# Altium PCB Fast_Servo.PCBDOC (part 6 of 7) (continued)
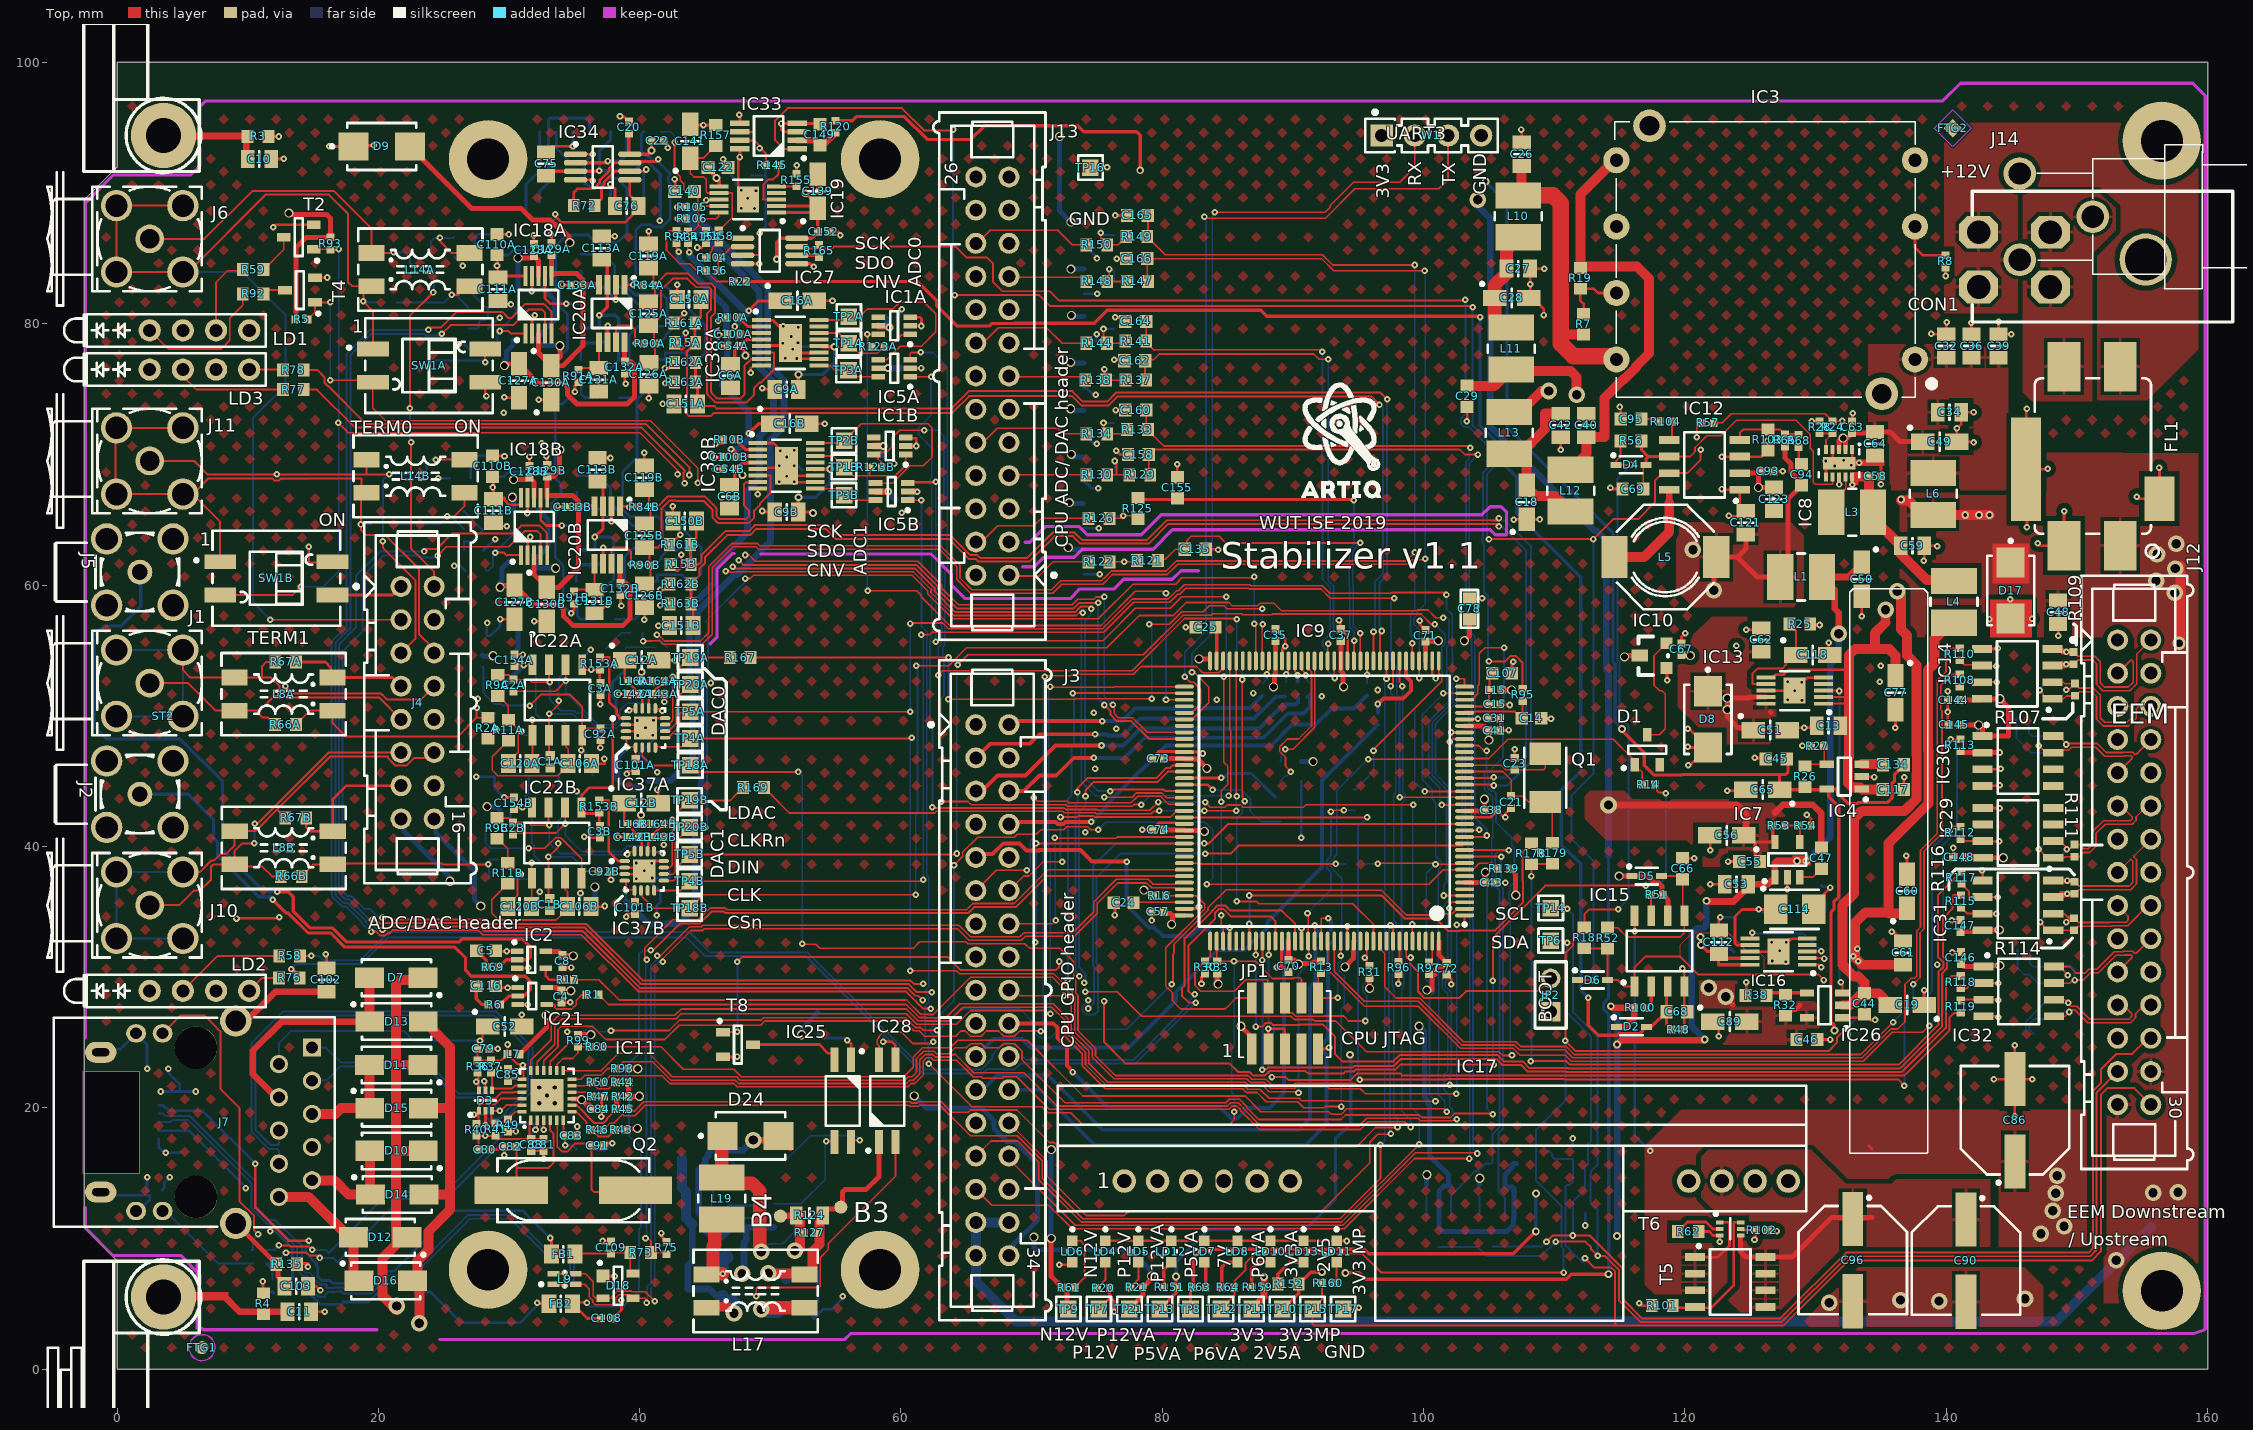
[diagram p0: Top view]
## Nets (pads, with @x,y where several pads share a name; then routed paths per layer and width w, separated by ;. In a path a pad name is that pad's centre, name@x,y a point inside that pad or via, vN(x,y) a via of type N, cw(c..) or ccw(c..) an arc to the next point about the centre after c; other vN are vias at no path point) (continued)
  L3 w0.152: v1(130.442,30.754) 132.801,30.754 v1(133.274,31.227) ; v1(130.442,31.966) 133.178,31.966 133.274,31.871 v1(133.274,31.227) ; v1(130.673,31.422) 133.011,31.422 133.205,31.227 v1(133.274,31.227)
  Bot w0.152: v1(110.719,7.391) 110.719,9.206 110.566,9.358 110.566,12.463 108.61,14.419 108.61,18.319 110.846,20.554 v1(110.846,25.126) ; v1(114.884,35.179) 115.697,35.992 115.697,49.2 114.986,49.911 114.986,54.115 114.821,54.279 114.821,68.149 v1(115.875,69.203) ; v1(125.139,33.381) 125.195,33.325 129.083,33.325 v1(130.442,31.966) ; v1(132.334,26.06) 133.274,27 v1(133.274,31.227)
  other v1: 132.893,31.609 133.205,32.18
P12V0: C48.2 C86.1 D17.1 FL1.2 IC15.8 J3.31 J3.32 J3.33 J12.28 J12.29 L6.1 R20.2 T5.1 T5.2 T5.3 T6.1 TP7.1 | length 143.1
  Top w0.203: TP7.1@75.142,4.597 75.964,5.419 75.964,5.519 ; R20.2@75.964,6.2 75.964,5.519 ; v1(76.327,4.394) 76.327,5.156 75.964,5.519 ; IC15.8@116.149,34.689 116.149,33.508 v1(116.154,33.513) ; T5.1@120.768,8.57 122.542,8.57 123.414,9.443 123.414,11.177 123.366,11.226 T6.1@122.678,11.226 ; 134.069,17.069 134.3,16.838
  Top w0.762: v3@136.55,66.468 137.133,66.468 138.225,65.376 v3(141.453,65.376) v3(142.494,65.376) v3(143.307,65.376) ; v8(157.8,55.55) 157.925,55.425 v5@157.925,61.45
  L3 w0.203: J3.32@68.27,11.22 J3.32@68.347,11.22
  Bot w0.203: v1(76.327,4.394) 76.378,4.343 76.378,3.632 ; v1(116.154,33.513) 116.154,17.887 v1(117.34,16.701)
  Bot w0.762: J3.32@68.27,11.22 J3.31@65.73,11.22 J3.33@65.73,8.68 65.73,6.711 68.809,3.632 76.378,3.632 148.445,3.632 155.685,10.873
  other v3: 136.55,66.544
  other v5: 153.018,8.333 147.244,10.351 149.017,10.922 148.158,12.123 148.387,13.462 155.829,13.487 157.734,13.538 148.488,14.808 157.48,59.411 156.059,60.325 157.531,61.265 156.125,62.357 157.607,63.17
P12V0_CHA: C98A.1 C154A.2 D21A.2 IC22A.8 L2A.2 | length 7.4
  Top w0.127: C154A.2@30.502,53.91 IC22A.8@31.797,53.91
  Bot w0.381: D21A.2@29.931,52.459 29.931,52.692 v1(31.115,53.876) 30.871,54.12 30.81,54.12 30.477,54.452 30.477,54.923 30.707,55.152 L2A.2@30.707,57.724
P12V0_CHB: C98B.1 C154B.2 D21B.2 IC22B.8 L2B.2 | length 6.2
  Top w0.127: C154B.2@30.457,42.972 IC22B.8@31.752,42.972
  Bot w0.152: D21B.2@30.107,41.309 30.107,42.682 L2B.2@30.207,42.782 30.814,42.782 v1(31.035,43.002) 31.249,43.216 31.249,43.831 31.496,44.079 C98B.1@31.496,45.322
P12V0A: C51.1 C62.2 C127A.1 C127B.1 C128A.2 C128B.2 C132A.2 C132B.2 D8.1 D19A.2 D19B.2 D20A.2 D20B.2 IC13.9 IC13.10 IC18A.8 IC18B.8 IC20A.8 IC20B.8 J4.15 J13.25 L2A.1 L2B.1 R21.2 R70.2 R71.2 TP21.1 | length 318.5
  Top w0.381: v2(29.317,59.84) 29.456,59.978 C127B.1@30.427,59.978 31.881,58.524 33.802,58.524 34.189,58.137 34.189,57.614 34.908,56.896 38.709,56.896 39.272,57.459 39.272,59.85 38.969,60.153 C132B.2@38.533,60.153 38.495,60.191 IC20B.8@38.495,61.636 ; v2(29.651,76.804) 29.79,76.943 C127A.1@30.761,76.943 32.215,75.489 34.136,75.489 34.483,75.143 34.483,74.579 35.201,73.861 39.044,73.861 39.606,74.424 39.606,76.815 39.303,77.118 C132A.2@38.867,77.118 38.83,77.156 IC20A.8@38.83,78.601 ; v2(30.354,68.072) 31.415,68.072 C128B.2@31.567,68.224 31.927,67.864 IC18B.8@31.927,66.695 ; v2(30.689,85.037) 31.749,85.037 C128A.2@31.901,85.189 32.261,84.829 IC18A.8@32.261,83.659 ; TP21.1@77.48,4.597 77.48,4.602 78.508,5.631 R21.2@78.508,6.25 79.172,6.913 v2(79.172,7.112) ; C51.1@125.642,49.096 124.061,49.096 123.241,49.916 v2(123.241,50.47) v2(123.241,51.359) 124.879,51.359 124.943,51.423 IC13.9@126.191,51.423 ; 126.542,50.292 126.597,50.237
  L3 w0.381: v2(25.476,37.338) 20.345,32.207 20.345,17.594 25.314,12.626 44.02,12.626 44.495,12.151 49.057,12.151 49.428,12.522 59.868,12.522 62.287,10.103 v2@70.028,10.103 ; v2@25.552,37.338 25.552,37.802 28.296,40.545 28.296,47.892 26.746,49.441 26.746,57.269 v2(29.317,59.84) 30.384,60.907 30.384,68.042 v2(30.354,68.072) 30.354,76.101 v2(29.651,76.804) ; v2(30.689,85.037) 30.689,85.123 30.861,85.295 30.861,86.954 31.614,87.706 34.059,87.706 34.668,88.316 40.44,88.316 41.735,89.611 43.023,89.611 44.378,88.256 52.576,88.256 52.965,88.646 61.163,88.646 65.126,92.608 66.901,92.608 J13.25@68.27,91.24 ; v2(70.171,10.103) v2@70.028,10.103 ; 100.377,16.101 94.935,16.101 94.323,16.713 92.143,16.713 91.892,16.463 91.422,16.463 91.172,16.713 72.829,16.713 70.028,13.912 v2@70.028,10.103 ; 110.084,17.932 118.747,26.596 123.706,26.596 125.779,28.668 125.779,30.399 ; v2(123.241,51.359) 122.453,50.571 122.453,40.259 123.299,39.413 123.533,39.413 123.866,39.081 123.866,38.611 123.469,38.214 123.469,32.709
  Bot w0.381: J4.15@21.73,42.11 21.958,41.882 21.958,41.161 25.415,37.704 25.415,37.359 25.476,37.298 v2(25.476,37.338) ; v2(28.321,43.053) 28.346,43.028 29.041,43.028 L2B.1@29.287,42.782 ; v2(29.651,76.804) 29.651,77.157 29.794,77.3 29.794,77.864 30.293,78.363 D20A.2@30.293,78.759 ; D20B.2@29.959,61.794 29.459,61.295 29.459,60.335 29.317,60.192 v2(29.317,59.84) 30.291,59.84 30.707,59.423 L2A.1@30.707,58.644 ; v2(30.257,66.724) 30.354,66.627 D19B.2@30.354,65.759 ; D19A.2@30.689,82.724 v2(30.689,85.037) ; v2(70.171,10.103) 70.171,9.2 70.237,9.134 77.531,9.134 79.172,7.493 v2(79.172,7.112) ; R71.2@100.205,14.094 100.227,14.116 100.227,14.852 v2(100.25,14.875) ; R70.2@104.281,14.138 104.286,14.144 104.286,14.599 v2(104.292,14.605)
P12V0F: CON1.3 CON1.4 FL1.1 J14.3
P12V0FIL: C32.2 C34.2 C36.2 C39.2 C49.1 C63.2 C64.2 C93.2 C123.2 IC3.1 IC8.2 IC8.3 IC12.2 L6.2 | length 20.6
  Top w0.381: IC12.2@124.199,68.568 C93.2@125.761,68.568 ; v2(125.618,67.473) 125.618,68.425 C93.2@125.761,68.568 ; v2@125.896,67.473 C123.2@126.817,67.473 ; C93.2@125.896,68.703 C93.2@125.761,68.568 ; IC8.3@131.8,70.378 131.8,71.059 132.105,71.364 v2(132.105,71.257) v2@132.3,71.063 ; IC8.2@132.3,70.378 v2@132.3,71.063 ; C49.1@138.2,70.976 136.454,70.976 135.702,71.728 C64.2@134.55,71.728 134.45,71.628 C63.2@132.8,71.628 132.3,71.128 v2@132.3,71.063
  L3 w0.381: v2(125.618,67.473) 125.71,67.564 128.046,67.564 130.55,70.068 131.24,70.068 v2@132.242,71.07
P12V0POE: C90.1 C96.1 IC17.8 T5.5 T5.6 T5.7 T5.8 T6.4 | length 12.7
  Top w0.381: T6.4@124.258,10.226 124.258,8.99 124.678,8.57 T5.8@126.168,8.57 128.196,8.57 131.239,11.613 134.3,11.613
P13V0: C13.2 C29.2 C77.1 C117.2 IC4.1 IC13.1 IC13.2 IC13.6 L11.2 | length 76.7
  Top w0.152: IC13.1@130.591,50.923 132.243,50.923 132.558,51.238 132.373,51.423 IC13.2@130.591,51.423
  Top w0.203: IC13.6@126.191,52.923 126.766,52.923 126.814,52.972 126.814,53.023 126.933,53.142 127.556,53.142 127.931,53.517 132.508,53.517 132.558,53.567
  Top w0.762: C29.2@103.327,75.247 105.442,75.247 L11.2@106.699,76.505 ; L11.2@107,76.376 110.132,76.376 111.254,76.376 111.709,75.921 v5(111.709,74.574) ; C117.2@135.142,44.346 133.592,44.346 IC4.1@133.542,44.396 133.436,44.502 132.842,44.502 132.484,44.86 132.484,46.781 132.558,46.855 132.558,49.296 132.558,50.923 132.558,51.238 132.558,53.567 132.558,54.654 133.004,55.1 134.531,55.1 ; 135.357,57.144 134.531,56.318 134.531,55.1 ; v5@135.357,57.545 v5@135.357,57.83 ; 135.637,55.1 134.531,55.1 ; 135.642,55.096 136.119,54.619 C77.1@136.119,53.065
  L3 w0.762: v5(111.709,74.574) 113.055,74.574 114.253,73.377 114.253,73.321 114.697,72.877 115.325,72.877 115.372,72.923 123.292,72.923 124.13,72.086 124.13,68.455 123.871,68.196 123.871,66.749 124.13,66.49 124.13,65.017 128.847,60.3 133.172,60.3 v5(135.357,58.115)
P13V0FIL: C27.2 C28.1 L10.2 L11.1 | length 8.8
  Top w1.016: L11.1@107,79.576 106.375,79.576 105.45,80.501 C28.1@105.45,81.976 105.45,82.976 106.35,83.876 C27.2@106.35,84.226 106.35,85.726 L10.2@107.25,86.626
P13V0S: C26.2 IC3.7 L10.1 R7.2 | length 23
  Top w0.762: C26.2@107.5,92.076 107.5,90.076 L10.1@107.25,89.826 L10.1@107.606,89.826 ; 110.5,79.205 110.529,79.176 R7.2@112.25,79.176
  Top w1.27: L10.1@107.606,89.826 109.9,89.826 110.5,89.226 110.5,79.205 110.5,78.476 111.457,77.519 114.517,77.519 IC3.7@114.68,77.356
PC2_ADC3_IN1_N: IC9.28 J3.29 | length 75.1
  Top w0.127: J3.29@65.73,13.76 66.942,12.548 71.297,12.548 73.101,10.744 93.931,10.744 99.301,16.114 v1(103.5,16.114) ; v1(102,48) 102.227,48.227 IC9.28@103.134,48.227
  Bot w0.127: v1@101.94,48.069 v1@102,48.01 ; v1(102,48) v1@102,48.01 ; v1(103.5,16.114) 103.527,16.141 103.527,39.834 102.945,40.416 102.945,47.065 v1@102,48.01
PC3_ADC3_IN1_P: IC9.29 J3.28 | length 74.6
  Top w0.127: J3.28@68.27,16.3 68.27,16.071 73.342,10.998 93.826,10.998 99.382,16.554 104.055,16.554 v1(104.109,16.5) ; v1(102.106,48.727) IC9.29@103.134,48.727
  Bot w0.127: v1(102.106,48.727) 102.106,48.516 103.199,47.424 103.199,40.646 103.782,40.063 103.782,16.827 v1(104.109,16.5)
PHY_RD_N: D3.1 IC11.22 J7.3 R40.2 | length 48.7
  Top w0.152: v1(27.315,19.482) D3.1@27.681,19.482 ; R40.2@27.508,18.783 27.68,18.783 27.681,18.785 D3.1@27.681,19.482 ; IC11.22@31.005,20.695 29.372,20.695 28.946,20.269 27.838,20.269 27.695,20.126 D3.1@27.695,19.765 27.681,19.751 D3.1@27.681,19.482
  Bot w0.152: J7.3@12.39,15.72 12.39,16.749 12.301,16.838 11.658,16.838 10.287,18.209 10.287,24.937 12.731,27.381 29.001,27.381 31.803,24.579 31.803,22.927 31.75,22.874 31.75,21.235 30.07,19.554 30.07,19.441 29.501,18.872 28.64,18.872 28.372,19.14 28.372,19.228 28.118,19.482 v1(27.315,19.482)
PHY_RD_P: D3.3 IC11.23 J7.5 R41.2 | length 45.2
  Top w0.152: 28.655,18.785 28.655,19.725 D3.3@28.695,19.765 v1(29.286,19.765) 29.364,19.765 29.794,20.195 IC11.23@31.005,20.195
  Bot w0.152: J7.5@12.501,18.15 J7.5@12.39,18.26 12.39,17.232 12.301,17.143 11.784,17.143 10.592,18.335 10.592,24.811 12.857,27.076 28.875,27.076 31.498,24.453 31.498,23.053 31.445,23.001 31.445,21.361 29.765,19.681 29.765,19.567 29.375,19.177 28.766,19.177 28.677,19.266 28.677,19.393 28.473,19.596 28.473,20.093 28.958,20.093 v1(29.286,19.765)
PHY_TD_N: D3.4 IC11.20 J7.8 R37.1 | length 22
  Top w0.152: R37.1@28.686,22.606 R37.1@28.616,22.676 29.165,22.676 29.165,22.993 v1(29.21,23.038) ; R37.1@28.732,22.56 28.695,22.523 D3.4@28.695,21.345 28.813,21.463 30.225,21.463 30.458,21.695 IC11.20@31.005,21.695
  Bot w0.152: J7.8@14.93,22.07 16,22.07 17.094,23.165 23.619,23.165 25.981,20.803 28.125,20.803 28.651,21.329 28.651,21.361 28.753,21.463 28.753,22.581 v1(29.21,23.038)
PHY_TD_P: D3.6 IC11.21 J7.10 R36.1 | length 21.9
  Top w0.152: v1(27.483,21.996) 27.567,21.996 27.641,22.07 v1@27.665,22.047 ; R36.1@27.595,22.676 27.665,22.607 v1@27.665,22.047 ; IC11.21@31.005,21.195 30.389,21.195 30.352,21.158 29.415,21.158 28.984,20.726 27.813,20.726 27.665,20.875 v1@27.665,22.047
  Bot w0.152: J7.10@14.93,24.61 15.979,24.61 17.12,23.47 23.745,23.47 26.107,21.107 27.999,21.107 28.27,21.379 28.27,21.416 28.118,21.569 27.809,21.569 v1@27.381,21.996 ; v1@27.307,22.07 v1@27.381,21.996 ; v1(27.483,21.996) v1@27.381,21.996
POE_IN1: D7.2 D13.1 J7.7 | length 17.8
  Top w0.508: J7.7@12.39,20.8 12.167,20.8 10.386,22.581 10.386,24.363 12.619,26.596 D13.1@19.346,26.596
  Top w0.762: D7.2@19.327,29.95 19.327,26.615 D13.1@19.346,26.596
POE_IN2: D10.2 D14.1 J7.2 | length 8.3
  Top w0.762: J7.2@14.93,14.45 16.62,14.45 17.711,13.36 D14.1@19.401,13.36 19.346,13.415 D10.2@19.346,16.701
POE_IN3: D11.2 D15.1 J7.6 | length 7.9
  Top w0.762: J7.6@14.93,19.53 16.707,19.53 17.141,19.965 D15.1@19.351,19.965 19.327,19.99 D11.2@19.327,23.265
POE_IN4: D12.2 D16.1 J7.1 | length 10.5
  Top w0.762: J7.1@12.39,13.18 14.675,13.18 17.772,10.084 D12.2@18.097,10.084 18.097,7.15 18.491,6.756 D16.1@18.517,6.756
POE_VC+: D7.1 D10.1 D11.1 D12.1 D24.1 L19.1 R140.2 | length 92.1
  Top w0.381: 21.664,29.771 21.844,29.95 D7.1@23.427,29.95
  Top w0.762: v5(21.412,4.826) 21.412,4.533 20.332,5.613 20.332,8.504 21.347,9.518 D12.1@21.347,10.084 ; D12.1@22.197,10.084 D12.1@21.347,10.084 ; D11.1@23.427,23.265 21.347,23.265 ; D7.1@23.427,29.95 23.247,29.771 21.664,29.771 21.347,29.453 21.347,23.265 ; D10.1@23.446,16.701 21.347,16.701 ; D12.1@21.347,10.084 21.347,16.701 ; 21.347,16.701 21.347,23.265
  Top w1.016: D24.1@46.338,17.845 46.279,17.786 L19.1@46.279,14.656 46.703,14.231 48.604,14.231 49.199,13.636 v5@49.199,9.481
  L3 w1.016: v5@21.844,4.773 22.084,5.013 23.42,5.013 25.496,2.937 42.619,2.937 44.495,4.812 44.495,7.737 45.735,8.977 v5(49.299,8.977)
  Bot w0.127: R140.2@45.631,14.503 45.631,13.165 45.471,13.005 45.471,11.902 45.621,11.752 45.621,11.472 45.695,11.398 47.58,11.398 47.749,11.567 49.835,11.567 50.079,11.811 50.952,11.811 51.873,10.891 51.873,10.524 50.95,9.601 49.923,9.601 v5(49.299,8.977)
POE_VC-: C136.1 D13.2 D14.2 D15.2 D16.2 D24.2 R146.1 R166.1 R184.1 T7.2 | length 79.9
  Top w0.381: 25.493,19.965 25.494,19.964
  Top w0.508: v5@48.675,17.526 50.319,17.526 D24.2@50.638,17.845 50.713,17.845 51.534,17.024 D24.2@51.534,16.949
  Top w0.762: v5(23.134,3.503) 23.134,6.705 23.012,6.827 23.336,7.15 23.012,7.15 23.012,8.306 23.836,9.129 23.836,10.541 25.494,12.199 25.494,19.964 25.494,24.661 23.836,26.32 D13.2@23.836,26.543 ; D15.2@23.451,19.965 25.493,19.965 ; D14.2@23.501,13.36 25.342,13.36
  L3 w1.016: v5(23.134,3.503) 23.134,2.926 23.825,2.235 24.005,2.235 24.487,1.753 43.052,1.753 45.638,4.339 45.638,4.925 47.442,6.73
  Bot w0.508: v5(47.84,7.305) 47.985,7.45 47.985,7.981 47.988,7.983 47.988,9.707 48.149,9.868 R184.1@48.149,10.747 ; v5(48.692,17.526) 47.912,16.746 45.471,16.746 45.25,16.525 R166.1@45.25,16.3 45.029,16.079 45.029,15.794 44.526,15.291 44.526,11.938 44.69,11.774 44.719,11.774 44.943,11.551 44.943,10.684 45.484,10.143 T7.2@46.337,10.143 46.941,10.747 R184.1@48.149,10.747 ; C136.1@50.254,10.852 48.253,10.852 R184.1@48.184,10.782 R184.1@48.149,10.747
QSPI_CLK: J3.8 R12.1 | length 31.5
  Top w0.298: J3.8@68.43,41.86 71.856,41.86 71.991,41.724 72.427,41.724 72.588,41.885 v1(74.574,41.885)
  Bot w0.298: v1(74.574,41.885) 75.783,43.093 75.783,43.249 75.788,43.254 76.229,43.695 76.24,43.695 80.272,47.727 88.338,47.727 89.931,49.32 91.734,49.32 92.976,50.562 94.672,50.562 95.515,51.406 95.515,51.426 95.656,51.567 R12.1@95.676,51.567
QSPI_IO0: J3.6 R186.2 | length 26.6
  Top w0.298: J3.6@68.27,44.24 69.398,44.24 70.599,45.441 71.882,45.441 73.221,46.78 v1(74.748,46.78)
  Bot w0.298: v1(74.748,46.78) 77.114,46.78 78.654,48.32 87.741,48.32 89.6,50.179 90.8,50.179 91.288,50.666 R186.2@91.288,51.6 ; R186.2@91.127,51.439 R186.2@91.127,51.459
QSPI_IO1: J3.5 R187.2 | length 28
  Top w0.298: J3.5@65.73,44.24 66.082,44.24 66.352,44.51 66.456,44.51 67.386,45.441 69.528,45.441 71.814,47.727 v1(75.346,47.727)
  Bot w0.298: v1(75.346,47.727) 77.031,47.727 78.327,49.023 87.453,49.023 89.281,50.851 90.202,50.851 90.376,51.025 R187.2@90.376,51.595
QSPI_IO2: J3.3 R188.2 | length 25.7
  Top w0.298: J3.3@65.73,46.78 66.806,47.856 69.846,47.856 70.58,48.59 v1(74.854,48.59)
  Bot w0.298: v1(74.854,48.59) 74.879,48.565 75.768,48.565 75.837,48.496 77.014,48.496 78.302,49.784 87.02,49.784 88.69,51.454 89.264,51.454 89.296,51.486 R188.2@89.408,51.486
QSPI_IO3: J3.2 R189.2 | length 20.3
  Top w0.298: J3.2@68.27,49.32 68.543,49.593 v1(75.417,49.593)
  Bot w0.298: v1(75.417,49.593) 76.949,49.593 77.918,50.562 83.071,50.562 83.103,50.595 86.713,50.595 87.52,51.401 87.52,51.408 87.648,51.537 R189.2@87.655,51.537
QSPI_NCS: J3.9 R185.1 | length 23.4
  Top w0.298: J3.9@65.73,39.16 65.979,39.409 66.535,39.409 66.556,39.43 67.018,39.43 67.824,40.236 69.069,40.236 69.604,39.701 70.551,39.701 70.577,39.727 73.739,39.727 74.625,38.841 v1(77.269,38.841)
  Bot w0.298: v1(77.269,38.841) 77.269,35.505 78.965,33.808 79.367,33.808 80.043,33.132 82.213,33.132 82.718,33.637 R185.1@83.601,33.637
REF_P1V7066: IC34.7 R72.2 R85A.1 R85B.1 RN2A.5 RN2A.8 RN2B.5 RN2B.8 RN4.7 | length 67.3
  Top w0.203: R72.2@34.965,89.04 34.965,90.064 35.225,90.324 36.526,90.324 36.754,90.552 36.754,90.613 36.957,90.816 36.957,91.005 37.431,91.478 37.455,91.478 37.662,91.685 37.662,91.896 38.092,92.326 IC34.7@39.246,92.326 39.347,92.427 41.305,92.427 41.417,92.538 v1(41.417,92.597)
  L3 w0.203: v1@41.356,92.597 v1(41.417,92.597)
  Bot w0.203: R85B.1@38.145,57.38 39.6,57.38 40.545,58.325 RN2B.8@40.545,59.029 39.216,59.029 38.842,59.404 38.842,62.156 39.525,62.839 RN2B.5@40.545,62.839 41.521,62.839 41.758,63.076 41.758,64.888 41.418,65.227 39.252,65.227 38.714,65.766 38.714,68.686 39.802,69.774 39.802,74.345 ; R85A.1@38.48,74.345 39.802,74.345 ; RN4.7@40.306,94.701 40.111,94.506 40.111,93.253 40.557,92.808 40.626,92.808 40.694,92.74 40.789,92.74 41.058,92.471 41.291,92.471 v1(41.417,92.597) 41.417,92.416 42.334,91.499 42.334,91.411 42.19,91.266 42.19,90.87 42.334,90.726 42.334,88.012 41.727,87.405 41.054,87.405 40.89,87.569 40.092,87.569 39.71,87.187 39.71,83.865 39.044,83.199 39.044,82.802 39.646,82.201 41.802,82.201 42.088,81.915 42.088,79.997 41.895,79.804 RN2A.5@40.88,79.804 39.859,79.804 39.213,79.158 39.213,76.332 39.551,75.994 RN2A.8@40.88,75.994 40.88,75.29 39.935,74.345 39.802,74.345
REF_P2V048: IC34.1 R91A.1 R91B.1 RN3.6 RN4.3 | length 55.2
  Top w0.203: v1(34.757,57.849) 34.971,58.063 R91B.1@34.971,58.57 ; v1(35.05,74.814) 35.05,75.279 R91A.1@35.305,75.534 ; IC34.1@35.096,92.976 36.384,92.976 v1(36.396,92.964)
  Bot w0.203: RN3.6@33.627,94.701 33.627,93.427 34.676,92.378 35.81,92.378 ; v1(34.757,57.849) 34.142,58.464 34.142,60.991 34.142,61.175 34.142,61.534 33.528,62.148 33.528,65.562 33.248,65.842 33.248,66.238 33.98,66.97 33.98,67.727 33.528,68.179 33.528,69.895 33.305,70.118 33.305,70.597 33.528,70.82 33.528,73.867 ; v1(35.05,74.814) 34.103,73.867 33.528,73.867 ; v1(36.396,92.964) 35.81,92.378 ; 33.528,73.867 33.528,77.135 34.476,78.083 34.476,78.139 34.476,80.743 33.892,81.327 33.892,82.497 33.583,82.806 33.583,85.975 34.405,86.798 36.062,86.798 36.643,86.217 38.3,86.217 39.036,86.953 RN4.3@39.036,89.301 39.036,90.366 38.254,91.148 37.568,91.148 36.873,90.453 36.198,90.453 35.982,90.67 35.81,90.67 35.81,92.378
REF_P4V096: C140.2 IC19.9 IC19.10 R22.1 R34.1 R94.1 R105.1 R106.1 R154.2 R156.1 RN4.8 | length 23.4
  Top w0.127: v1(42.668,93.878) 42.672,93.875 42.672,91.688 43.109,91.251 43.109,90.975 43.375,90.709 43.375,90.316 43.56,90.13 C140.2@44.184,90.13 C140.2@44.314,90.13 ; R94.1@42.809,87.114 42.257,87.114 42.051,86.908 42.051,85.638 43.089,84.6 43.833,84.6 44.373,84.06 R156.1@45.08,84.06 45.904,83.236 R22.1@47.231,83.236 ; 43.146,87.083 43.159,87.096 R34.1@43.688,87.096 44.105,87.096 44.545,87.536 ; C140.2@44.314,90.149 44.545,89.918 44.545,89.759 44.44,89.654 44.44,87.641 44.545,87.536 ; R106.1@44.555,88.045 45.866,88.045 46.064,88.243 46.064,88.492 IC19.10@46.087,88.515 ; R105.1@44.555,88.933 44.636,89.015 IC19.9@46.087,89.015 ; R154.2@45.08,87.096 44.985,87.096 44.545,87.536
  Bot w0.127: RN4.8@41.576,94.701 42.357,94.701 42.668,94.39 v1(42.668,93.878)
REF_P4V096_ADC1: C16A.1 C100A.2 IC38A.3 R34.2 | length 13.3
  Top w0.127: R34.2@43.688,86.156 43.688,85.563 v1(43.786,85.465)
  Top w0.2: C100A.2@47.627,79.202 47.69,79.266 47.718,79.294 IC38A.3@49.337,79.294
  Top w0.254: v1(47.288,79.794) 47.288,79.668 C100A.2@47.69,79.266 ; v1(48.346,81.001) 49.096,81.751 C16A.1@50.196,81.751
  Bot w0.508: v1(43.786,85.465) 43.786,85.268 48.255,80.799 47.288,79.832 v1(47.288,79.794)
REF_P4V096_ADC2: C16B.1 C100B.2 IC38B.3 R94.2 | length 24.1
  Top w0.152: R94.2@42.809,86.174 42.809,85.764 43,85.573 v1(43,85.5)
  Top w0.254: v1@46.99,70.292 47.4,69.883 IC38B.3@49.039,69.883 ; 47.241,70.331 C100B.2@47.552,70.021 ; v1(48.35,71.608) 49.1,72.358 C16B.1@50.2,72.358 ; IC38B.3@49.14,69.872 49.143,69.875 49.16,69.858 IC38B.3@49.175,69.872
  Bot w0.508: v1(43,85.5) 43,84.869 46.63,81.239 46.63,79.509 46.718,79.422 46.718,77.096 46.334,76.712 46.334,75.283 48.35,73.267 v1(48.35,71.608) 48.35,71.208 47.551,70.409 v1(46.99,70.409)
REF_P4V096_DAC1: C101A.2 C138A.1 IC37A.4 IC37A.5 R106.2 | length 59.6
  Top w0.127: v1@38.998,47.638 IC37A.4@38.998,48.32 ; v1@39.016,47.62 39.698,47.62 C101A.2@39.698,46.682 C101A.2@39.698,46.602 ; v1(42.927,88.045) R106.2@43.574,88.045 R106.2@43.615,88.045
  Bot w0.508: v1(38.998,47.602) 38.278,46.881 38.278,45.242 39.049,44.471 C138A.1@40.234,44.471 ; C138A.1@40.691,45.034 42.369,45.034 44.069,46.734 44.069,52.86 43.823,53.106 43.823,58.271 45.75,60.197 45.75,61.517 48.25,64.017 48.25,67.261 49.175,68.186 49.175,71.425 50.246,72.496 50.246,75.569 49.161,76.654 49.161,82.483 43.805,87.839 43.134,87.839 v1(42.927,88.045)
REF_P4V096_DAC2: C101B.2 C138B.1 IC37B.4 IC37B.5 R105.2 | length 71.1
  Top w0.127: IC37B.4@38.953,37.382 38.953,36.7 38.971,36.682 39.653,36.682 C101B.2@39.653,35.744 C101B.2@39.653,35.664 ; v1(42.896,88.933) R105.2@43.548,88.933 R105.2@43.615,88.933
  Bot w0.127: v1(38.953,36.664) 38.953,35.789 C138B.1@38.978,35.764
  Bot w0.508: C138B.1@38.978,35.764 40.646,34.096 43.068,34.096 44.25,35.278 44.25,43.252 44.704,43.706 44.704,53.123 44.458,53.369 44.458,58.008 47.237,60.786 47.455,60.786 50.012,63.343 50.012,69.988 50,70 50,71.112 51.051,72.162 51.051,75.662 49.796,76.917 49.796,82.746 43.609,88.933 v1(42.896,88.933)
REF_S\H\D\N\: D6.1 IC12.7 IC33.1 R57.1 | length 149.4
  Top w0.152: IC33.1@52.075,93.396 51.03,93.396 50.372,94.054 50.372,95.543 51.329,96.5 60.075,96.5 61.783,94.793 62.793,94.793 62.8,94.8 63.929,94.8 v1(64,94.871) ; v1(64.12,82.201) 70.591,82.201 71.436,81.355 75.638,81.355 75.639,81.356 103.673,81.356 v1(103.75,81.279) ; v1(105,63.5) 104.912,63.5 104.898,63.514 112.982,63.514 v1(112.995,63.528) 114.51,65.043 116.417,65.043 117.704,66.329 117.704,67.993 118.279,68.568 IC12.7@118.799,68.568 120.166,68.568 121.209,69.611 v1(121.209,70.353) ; D6.1@111.795,29.777 v1(112.935,29.777) ; v1(120.904,71.32) 120.904,72.047 R57.1@121.272,72.415
  L3 w0.152: v1(120.904,71.32) 120.904,70.657 v1(121.209,70.353)
  Bot w0.152: v1(64,94.871) 64,82.321 v1(64.12,82.201) ; v1(103.75,81.279) 103.755,81.274 103.755,72.36 103.75,72.355 103.75,72.229 105.529,70.45 105.529,69.192 104.838,68.501 104.838,63.573 104.912,63.5 v1(105,63.5) ; v1@112.776,29.618 v1(112.935,29.777) 112.995,29.837 112.995,38.887 111.303,40.58 111.303,43.866 112.995,45.558 v1(112.995,63.528)
REF_VCC: C45.2 C65.1 C134.2 IC4.5 R26.2 R63.1 R120.1 TP8.1 | length 211.3
  Top w0.254: R120.1@54.995,95.55 56.282,95.55 56.591,95.86 60.249,95.86 62.001,94.107 65.354,94.107 66.393,95.146 73.535,95.146 73.99,94.691 78.029,94.691 78.307,94.413 v3(78.307,91.746) ; TP8.1@82.155,4.597 82.155,6.031 R63.1@82.375,6.25 82.375,8.478 83.065,9.169 95.443,9.169 95.785,8.827 106.871,8.827 v3(108.585,10.541) ; v3(115.189,48.997) 115.189,48.903 115.353,48.739 115.353,48.705 116.882,47.176 116.882,46.202 117.609,45.474 119.778,45.474 119.812,45.508 127.242,45.508 ; C45.2@127.892,46.346 127.892,45.691 127.708,45.508 127.242,45.508 ; v3(131.445,25.908) 131.379,25.974 131.379,26.374 131.177,26.576 131.177,34.951 131.407,35.18 131.407,35.761 131.775,36.129 131.775,43.025 131.013,43.787 IC4.5@131.013,44.396 ; C134.2@136.757,46.253 136.042,45.539 136.042,45.01 135.871,44.839 135.871,43.74 135.492,43.362 133.269,43.362 133.189,43.282 132.482,43.282 131.631,44.133 131.631,44.396 IC4.5@131.013,44.396 ; 127.242,45.508 C65.1@127.242,44.346 130.792,44.346 IC4.5@130.842,44.396 IC4.5@131.013,44.396
  L3 w0.254: v3(78.307,91.746) 78.33,91.723 84.359,91.723 84.382,91.746 85.9,91.746 85.923,91.723 86.34,91.723 86.363,91.746 94.25,91.746 95.115,90.881 v3(104.75,90.881) ; v3(108.61,13.437) 111.514,13.437 122.537,24.459 129.996,24.459 130.624,25.087 130.624,25.431 130.92,25.726 131.263,25.726 v3(131.445,25.908)
  Bot w0.254: v3(104.75,90.881) 106.375,89.256 106.375,72.111 114.491,63.995 114.491,54.142 114.656,53.978 114.656,49.53 v3(115.189,48.997) ; v3(108.585,10.541) 108.585,13.411 v3(108.61,13.437)
REV_ID0: IC9.56 R180.1 | length 9.3
  Top w0.127: v1(89.425,47.447) 90.008,47.447 91.677,49.116 91.677,54.184 IC9.56@91.659,54.202
  Bot w0.127: v1(89.425,47.447) 89.091,47.114 R180.1@89.091,46.595 ; R180.1@89.091,46.595 89.091,46.545 R180.1@89.043,46.498 89.043,46.548 R180.1@89.091,46.595
REV_ID1: IC9.57 R181.1 | length 11.6
  Top w0.127: v1(89.836,45.731) 89.425,46.142 89.425,46.824 88.984,47.265 88.984,47.63 89.576,48.222 90.424,48.222 91.423,49.221 91.423,53.363 91.159,53.627 IC9.57@91.159,54.202
  Bot w0.127: R181.1@89.043,44.974 89.043,45.024 89.43,45.411 89.516,45.411 v1(89.836,45.731)
REV_ID2: IC9.87 R182.1 | length 7.9
  Top w0.203: IC9.87@81.684,45.227 81.696,45.238 84.488,45.238 v1(84.5,45.25)
  Bot w0.203: v1(84.5,45.25) 84.557,45.307 84.767,45.307 85.04,45.58 86.83,45.58 88.645,43.765 R182.1@88.695,43.765
REV_ID3: IC9.88 R183.1 | length 9.1
  Top w0.203: IC9.88@81.684,44.727 83.467,44.727 v1(83.845,44.348)
  Bot w0.127: v1(83.845,44.348) 86.049,44.348 86.754,43.643 86.754,42.677 87.527,41.905 R183.1@89.043,41.905
RMII_CRS_DV: IC9.43 R50.1 | length 103.3
  Top w0.127: R50.1@37.258,21.946 37.258,21.966 37.738,22.446 41.705,22.446 42.296,21.856 47.213,21.856 47.461,21.609 60.523,21.609 60.771,21.856 61.049,21.856 61.697,22.503 61.697,23.565 61.955,23.823 62.32,23.823 62.506,23.636 64.254,23.636 65.52,22.371 66.14,22.371 66.26,22.25 67.74,22.25 67.86,22.371 68.854,22.371 71.346,19.878 85.078,19.878 85.336,20.136 85.701,20.136 85.959,19.878 85.959,19.812 87.439,18.332 95.145,18.332 95.753,18.94 98.559,18.94 v1(99,18.5) ; IC9.43@98.159,54.202 98.159,52.589 98.374,52.374 v1(98.374,52.273)
  Bot w0.127: v1@98.413,52.284 98.413,44.141 98.6,43.954 98.6,43.59 98.305,43.295 98.305,30.422 98.484,30.242 98.484,29.297 98.339,29.152 98.339,19.736 99,19.075 v1(99,18.5)
RMII_MDC: IC9.27 IC11.13 | length 108.5
  Top w0.127: IC11.13@34.155,22.845 37.038,22.845 38.352,24.16 40.71,24.16 42.506,22.364 47.424,22.364 47.671,22.117 60.313,22.117 60.56,22.364 60.839,22.364 61.189,22.714 61.189,23.775 61.744,24.331 62.53,24.331 62.717,24.144 63.692,24.144 64.14,24.593 65.002,24.593 65.32,24.911 66.14,24.911 66.458,24.593 67.542,24.593 67.86,24.911 68.68,24.911 69.261,24.33 69.261,23.684 72.559,20.386 84.868,20.386 85.126,20.644 85.911,20.644 86.467,20.088 86.467,20.023 87.389,19.101 93.671,19.101 94.019,19.448 99.67,19.448 99.864,19.255 102.057,19.255 102.364,19.562 105.217,19.562 v1(105.279,19.5) ; IC9.27@103.134,47.727 104.226,47.727 104.632,47.321 v1(104.816,47.321)
  Bot w0.127: v1(104.816,47.321) 104.816,45.88 104.665,45.729 104.665,44.376 105.279,43.762 105.279,40.655 105.214,40.591 105.214,38.603 105.268,38.549 105.268,37.645 104.855,37.232 104.855,19.924 v1(105.279,19.5)